# Altium PCB Jetson AGX Xavier Carrier Board.PcbDoc (part 3 of 4) (continued)
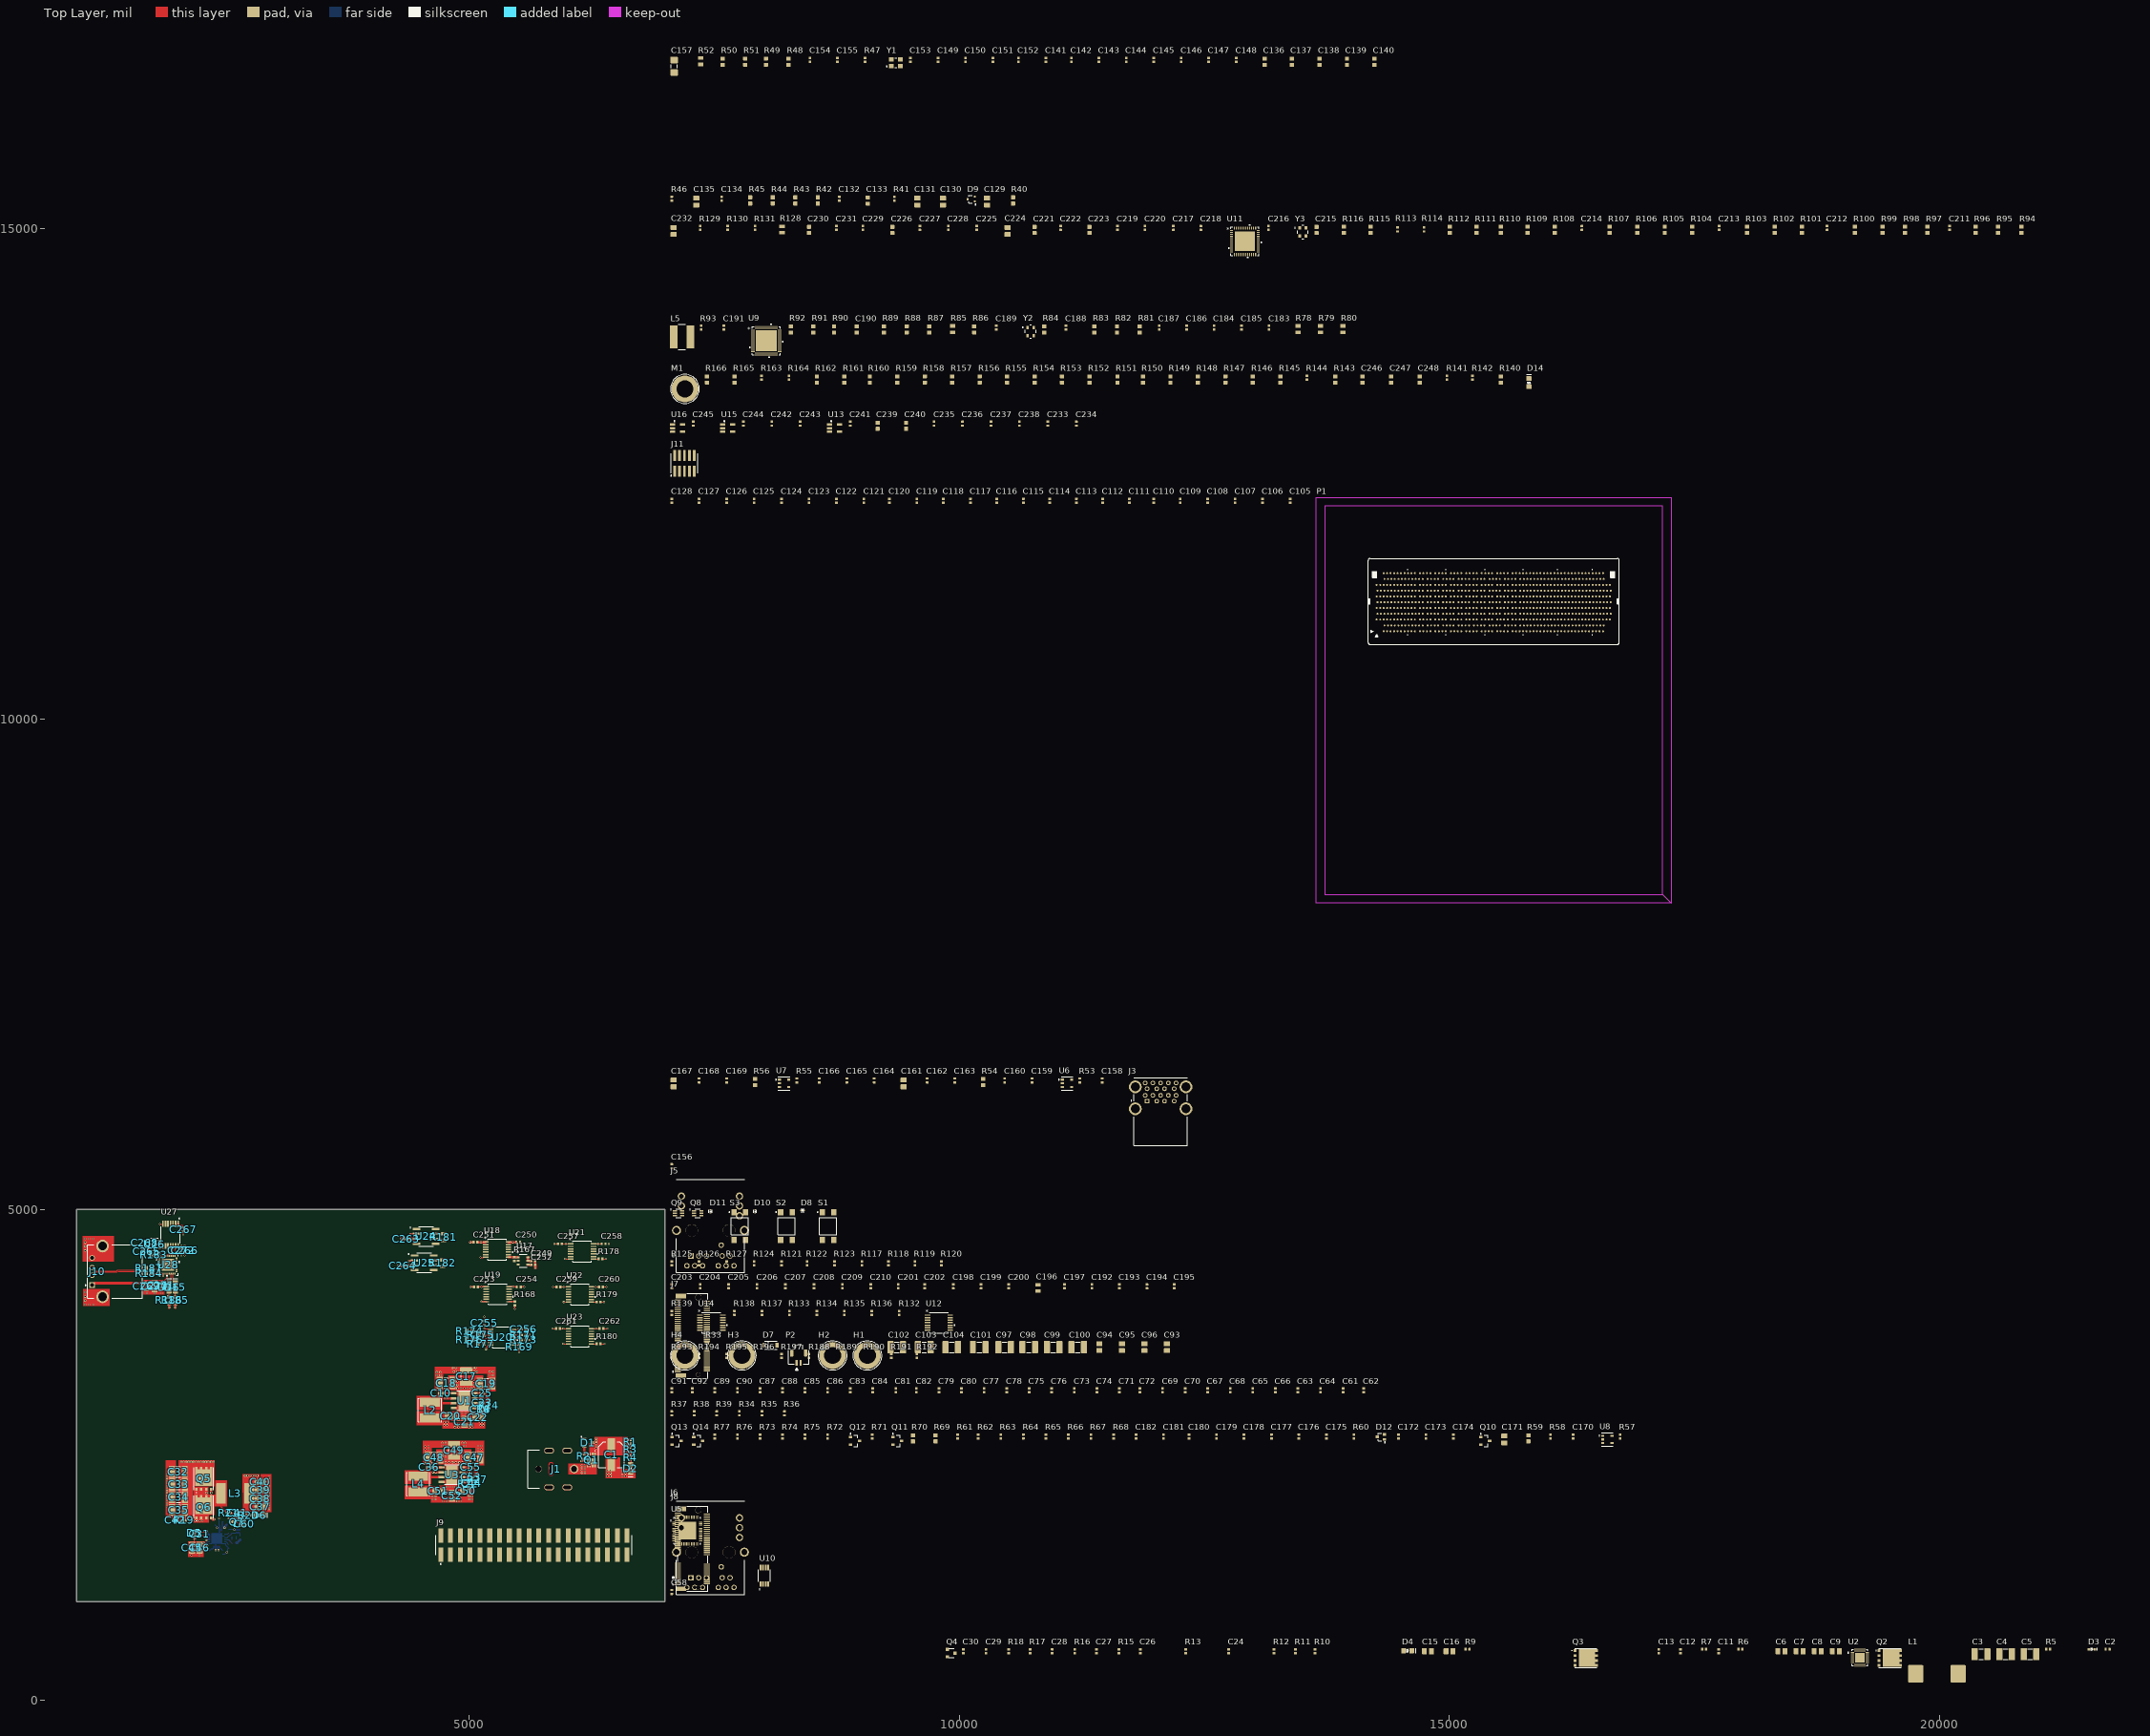
[diagram p0: Top Layer view]
## Part data (continued)
R181 R182: "RES 120 OHM 1% 1/8W 0805", LCSC Part #=C17437, Manufacturer 1=Vishay, Manufacturer Part Number 1=CRCW0805120RFKEA, Package/Footprint=0805, Supplier Part Number 1=541-120CCT-ND, Mounting Type=SMD, Supplier 1=Digi-Key
S1 S2 S3: "TL3305A Series SPST 12 V 4.5 x 4.5 mm 260 gf Top Actuated SMT Tactile Switch", Manufacturer Part Number=TL3305AF260QG
U1 U3: "IC REG BUCK ADJUSTABLE 3A 8SOPWR", Input Voltage (Max)=23V, Input Voltage (Min)=4.5V, Manufacturer 1="Texas Instruments", Manufacturer Part Number 1=TPS54339DDAR, Output Current=3A, Output Voltage (Max)=7V, Output Voltage (Min/Fixed)=0.76V, Package=8-PowerSOIC, Supplier Part Number 1=296-35686-1-ND, Switching Frequency=600kHz, Supplier 1=Digi-Key
U2 U4: "Buck Regulator Positive Output Step-Down - DC-DC Controller IC 24-WQFN (4x4)", Manufacturer 1="Texas Instruments", Package="24-WQFN Exposed Pad", Supplier Part Number 1=296-37066-1-ND, Supply Voltage="3V - 20V", Switching Frequency="200kHz - 1.2MHz", Manufacturer Part Number 1=LM27403SQE/NOPB, Max Duty Cycle=93%, Supplier 1=Digi-Key
U5: "USB Hub Controller USB 3.1 USB Interface 56-VQFN (7x7)", Manufacturer 1="Microchip Technology", Package="56-VQFN (7x7)", Supplier Part Number 1=USB5744/2G-ND, Supply Voltage="1.2V, 3.3V", Manufacturer Part Number 1=USB5744/2G, Standards="USB 3.1", Supplier 1=Digi-Key
U6 U7: "IC PWR SWITCH P-CHAN 1:1 SOT25", Current - Output (Max)=1A, Manufacturer 1="Diodes Incorporated", Package=SOT-25, Supplier Part Number 1=AP2171DWG-7DICT-ND, Voltage - Load="2.7V - 5.5V", Manufacturer Part Number 1=AP2171DWG-7, Rds On (Typ)=95mOhm, Supplier 1=Digi-Key
U8: "Power Switch/Driver 1:1 P-Channel 1A SOT-25", Current - Output (Max)=1A, Manufacturer 1="Diodes Incorporated", Package=SOT-25, Supplier Part Number 1=AP2171DWG-7DICT-ND, Voltage - Load="2.7V - 5.5V", Manufacturer Part Number 1=AP2171DWG-7, Rds On (Typ)=95mOhm, Supplier 1=Digi-Key
U9: "IC ETHERNET CNTRLR GPIO 48SQFN", Manufacturer 1="Microchip Technology", Supplier Part Number 1=LAN7430-I/Y9X-ND, Manufacturer Part Number 1=LAN7430-I/Y9X, Supplier 1=Digi-Key
U10: "IC EEPROM 4KBIT SPI 2MHZ 8MSOP", Manufacturer 1="Microchip Technology", Supplier Part Number 1=93AA66AT-I/MS-ND, Manufacturer Part Number 1=93AA66AT-I/MS, Supplier 1=Digi-Key
U11: "Ethernet Transceiver, PQCC48", Manufacturer="Microchip Technologies", Manufacturer 1="Microchip Technology", Supplier Part Number 1=150-KSZ9131RNXI-ND, Manufacturer Part Number 1=KSZ9131RNXI, Manufacturer Product Number=KSZ9131RNXI, Supplier 1=Digi-Key
U12 U14 U27: "4-BITS MULTI-VOLTAGE LEVEL TRANS", Manufacturer 1="Texas Instruments", Package=14-TSSOP, Supplier Part Number 1=296-51425-1-ND, Voltage - VCCA="0.8V - 4.5V", Voltage - VCCB="1.8V - 5.5V", Channel Type=Bidirectional, Channels per Circuit=4, Data Rate=100MBd, Manufacturer Part Number 1=LSF0204QPWRQ1, Output Type="Open Drain, Push Pull", Supplier 1=Digi-Key
U13 U15 U16: "IC BUFFER NON-INVERT 5.5V 5TSOP", Manufacturer 1=onsemi, Manufacturer Part Number 1=M74VHC1GT50DTT1G, Package/Footprint=TSOP-5, Supplier Part Number 1=M74VHC1GT50DTT1GOSCT-ND, Mounting Type=SMD, Supplier 1=Digi-Key
U17 U26: "IC SUPERVISOR 1 CHANNEL SOT23-6", Manufacturer 1="Texas Instruments", Supplier Part Number 1=296-23569-1-ND, Manufacturer Part Number 1=TPS3808G33MDBVREP, Supplier 1=Digi-Key
U18 U19 U20 U21 U22 U23: "Automotive 4-Bit Bidirectional Multi-Voltage Level Translator for Open-Drain or Push- Pull Interface 14-TSSOP -40 to 125", Manufacturer 1="Texas Instruments", Package=14-TSSOP, Supplier Part Number 1=296-51425-1-ND, Voltage - VCCA="0.8V - 4.5V", Voltage - VCCB="1.8V - 5.5V", Channel Type=Bidirectional, Channels per Circuit=4, Data Rate=100MBd, Manufacturer Part Number 1=LSF0204QPWRQ1, Output Type="Open Drain, Push Pull", Supplier 1=Digi-Key
U24 U25: "IC CAN TRANSCEIVER", Manufacturer 1="Texas Instruments", Supplier Part Number 1=296-43711-1-ND, Manufacturer Part Number 1=TCAN332DR, Supplier 1=Digi-Key
U28: "USB Bridge, USB to UART USB 2.0 UART Interface 32-QFN (5x5)", Manufacturer=FTDI, Max Frequency=48MHz, Max Operating Temperature=85°C, Max Supply Current=100uA, Max Supply Voltage=5.25V, Min Operating Temperature=-40°C, Min Supply Voltage=3.3V, Package Code=HVQCCN, Package Equivalence Code=LCC32,.2SQ,20, Package Shape=Square, Package Style="CHIP CARRIER, HEAT SINK/SLUG, VERY THIN PROFILEMeter", Supplier Part Number 1=768-1008-1-ND, Temperature Grade=INDUSTRIAL, Category="Interface ICs", ComponentLink1Description=https://datasheet.ciiva.com:443/pdfs/VipMasterIC/IC/FTDI/FTDI-S-A0007980421/FTDI-S-A0007980421-1.pdf?src-supplier=IHS+Markit, ComponentLink1URL=https://datasheet.ciiva.com:443/pdfs/VipMasterIC/IC/FTDI/FTDI-S-A0007980421/FTDI-S-A0007980421-1.pdf?src-supplier=IHS+Markit, ComponentLink2Description=https://datasheet.ciiva.com/1505/1647396-1505445.pdf?src-supplier=Digi-Key, ComponentLink2URL=https://datasheet.ciiva.com/1505/1647396-1505445.pdf?src-supplier=Digi-Key, ComponentLink3Description=https://datasheet.ciiva.com/26841/ft232rq-reel-26841082.pdf?src-supplier=IIIC, ComponentLink3URL=https://datasheet.ciiva.com/26841/ft232rq-reel-26841082.pdf?src-supplier=IIIC, ComponentLink4Description=https://datasheet.ciiva.com/16438/ds-ft232r-16438555.pdf?src-supplier=Future+Electronics, ComponentLink4URL=https://datasheet.ciiva.com/16438/ds-ft232r-16438555.pdf?src-supplier=Future+Electronics, ComponentLink5Description=https://datasheet.ciiva.com/15150/getdatasheetpartid-644721-15150509.pdf?src-supplier=Verical, ComponentLink5URL=https://datasheet.ciiva.com/15150/getdatasheetpartid-644721-15150509.pdf?src-supplier=Verical, ComponentLink6Description=https://datasheet.ciiva.com/4787/ds-ft232r-4787663.pdf?src-supplier=Mouser, ComponentLink6URL=https://datasheet.ciiva.com/4787/ds-ft232r-4787663.pdf?src-supplier=Mouser, ComponentLink7Description=https://datasheet.ciiva.com/1787/ds-ft232r-1787041.pdf?src-supplier=Digi-Key, ComponentLink7URL=https://datasheet.ciiva.com/1787/ds-ft232r-1787041.pdf?src-supplier=Digi-Key, ComponentLink8Description=https://datasheet.ciiva.com/1787/ds-ft232r-1787042.pdf?src-supplier=Digi-Key, ComponentLink8URL=https://datasheet.ciiva.com/1787/ds-ft232r-1787042.pdf?src-supplier=Digi-Key, Height - Seated (Max)=1mm, JESD-30 Code=S-XQCC-N32, Length=5mm, Manufacturer Part Number=FT232RQ-REEL, Moisture Sensitivity Level=3, Number of Pins=32, Pricing 1="1=4.70000, 10=4.25000, 50=4.05000, 100=3.85000, 250=3.45000, 500=3.05000, 1000=2.85002, 2500=2.55001 (USD)", Qualification Status="Not Qualified", REACH SVHC=Yes, RoHS=Yes, RoHS Compliant=Yes, Supplier 1=Digi-Key, Surface Mount=Yes, Technology=CMOS, Terminal Form="No Lead", Terminal Pitch=0.5mm, Terminal Position=QUAD, Width=5mm
Y1: "CRYSTAL 25.0000MHZ 20PF SMD", Frequency=25MHz, Load Capacitance=20pF, Manufacturer 1="ECS Inc.", Manufacturer Part Number 1=ECS-250-20-33-CKM-TR, Package/Footprint=SMD, Supplier Part Number 1=XC1817CT-ND, Mounting Type=SMD, Supplier 1=Digi-Key
Y2 Y3: "MEMS OSC XO 25.0000MHZ LVCMOS", Manufacturer 1=Abracon, Supplier Part Number 1=535-13096-1-ND, Manufacturer Part Number 1=ASTMLPD-18-25.000MHZ-LJ-E-T, Supplier 1=Digi-Key

## Via types
v1: diameter 22, hole 10, Top Layer to Bottom Layer, 297 vias

## Nets (pads, with @x,y where several pads share a name; then routed paths per layer and width w, separated by ;. In a path a pad name is that pad's centre, name@x,y a point inside that pad or via, vN(x,y) a via of type N, cw(c..) or ccw(c..) an arc to the next point about the centre after c; other vN are vias at no path point)
1.8V: R34.2 R35.2 R36.2
1V2: C44.2 C50.2 C51.2 C52.2 C136.2 C137.2 C138.2 C141.2 C142.2 C143.2 C144.2 C145.2 C146.2 C147.2 C148.2 C196.2 C197.2 C203.2 C204.2 C205.2 C206.2 C207.2 C208.2 C209.2 C210.2 L4.2 L5.2 R22.2 U5.5 U5.12 U5.15 U5.21 U5.28 U5.33 U5.43 U5.49 U9.4 U9.9 U9.13 U9.14 U9.20 U9.31 U9.34 U9.40 U9.45
  other v1: 4740,2025 4775,2025 4885,2025 4915,2025 4630,2045 4660,2045 5000,2045 5030,2045 4740,2055 4775,2055 4885,2055 4915,2055 4630,2075 4660,2075 5000,2075 5030,2075
1V8: C14.2 C20.2 C21.2 C22.2 C233.2 C241.2 C243.2 C244.2 C245.2 C249.2 C251.2 C253.2 C255.2 C257.2 C259.2 C261.2 C265.2 C267.2 J11.1 L2.2 Q14.1 R8.2 R41.2 R75.2 R132.2 R133.2 R134.2 R135.2 R138.2 R139.2 R141.2 R142.2 R167.2 R168.2 R169.2 R178.2 R179.2 R180.2 R183.2 R188.2 R189.2 R190.2 R191.2 R192.2 U12.1 U13.5 U14.1 U15.5 U16.5 U17.5 U17.6 U18.1 U19.1 U20.1 U21.1 U22.1 U23.1 U26.5 U26.6 U27.1 | length 996.2
  Top Layer w10: C255.2@5160,3820 v1(5160,3785) 5189.77,3785 5203,3771.77 U20.1@5223.75,3771.77 ; v1(5515,3545) R169.2@5515,3580 ; C261.2@5930,3785 v1(5965,3785) 5966.32,3783.68 6016.18,3783.68 U23.1@6017.5,3782.36 ; C259.2@5934.69,4210 v1(5970,4210) U22.1@6017.5,4210 ; C257.2@5949.69,4650 v1(5990,4650) 6013.2,4650 6013.25,4649.95 6038,4649.95 U21.1@6040,4647.95 ; R179.2@6344.37,4055 v1(6380,4055) ; R180.2@6345,3630 v1(6385,3630) ; R178.2@6364.69,4495 v1(6400,4495)
  Top Layer w15: C253.2@5094.69,4210 v1(5130,4210) 5130.89,4210.89 5177.86,4210.89 U19.1@5178.75,4211.77 ; v1(5470,3985) R168.2@5470,4020
  Top Layer w25: U26.5@1745.25,4645 U26.6@1745.25,4607.6 1745,4607.6 1735.69,4598.29 1735.69,4570.69 C265.2@1735,4570 R183.2@1770,4535 ; U27.1@2036.77,4852.99 2036.77,4839.02 2041.2,4834.59 2069.19,4834.59 2089.41,4814.37 C267.2@2090,4814.37 ; C251.2@5090,4665 v1(5125,4665) 5125.89,4665.89 5172.86,4665.89 U18.1@5173.75,4666.77 ; U17.6@5604.5,4512.4 U17.5@5604.5,4475 C249.2@5640,4475
  other v1: 4860,2780 4895,2780 5005,2780 5035,2780 4750,2800 4780,2800 5120,2800 5150,2800 4860,2810 4895,2810 5005,2810 5035,2810 4750,2830 4780,2830 5120,2830 5150,2830
2V5: C198.2 C199.2 C200.2 C201.2 C202.2 U9.1 U9.12 U9.23 U9.27
3V3: C37.2 C38.2 C39.2 C40.2 C41.2 C43.2 C139.2 C140.2 C149.2 C150.2 C151.2 C152.2 C153.2 C189.2 C191.2 C192.2 C193.2 C194.2 C195.2 C216.2 C221.2 C222.2 C226.2 C227.2 C228.2 C232.2 C234.2 C235.2 C236.2 C237.2 C238.2 C239.2 C240.2 C242.2 C246.2 C247.2 C248.2 C250.2 C254.2 C256.2 C258.2 C260.2 C262.2 C263.1 C264.1 D14.1 J7.2 J7.4 J7.72 J7.74 J8.2 J8.4 J8.12 J8.14 J8.16 J8.18 J8.70 J8.72 J8.74 J9.01 J9.17 L3.1 Q10.1 Q12.1 Q13.1 R20.2 R23.2 R28.2 R40.2 R47.2 R53.2 R55.2 R57.2 R58.2 R60.1 R69.2 R71.2 R73.2 R78.2 R79.2 R80.2 R85.2 R86.1 R89.1 R94.2 R110.1 R112.1 R117.2 R118.2 R119.2 R120.2 R125.2 R126.2 R127.2 R128.1 R136.2 R137.2 R144.2 R163.2 R164.2 R170.2 R171.2 R172.2 R173.2 R185.2 R186.2 U5.16 U5.31 U5.37 U5.44 U5.55 U9.28 U9.33 U9.39 U9.41 U10.8 U11.1 U11.12 U11.16 U11.34 U11.40 U12.14 U14.14 U18.14 U19.14 U20.14 U21.14 U22.14 U23.14 U24.3 U25.3 Y2.1 Y2.4 Y3.1 Y3.4 | length 1475.3
  Top Layer w10: U18.14@5406.25,4666.77 U18.14@5407.14,4665.89 ; v1@5449.11,4665.89 v1(5450,4665) ; U20.14@5456.25,3771.77 5493.6,3771.77 5501.83,3780 v1(5505,3780) C256.2@5540,3780 ; R171.2@5579.69,3720 v1(5620,3720) ; R173.2@5580,3670 v1(5620,3670) ; U23.14@6250,3782.36 6251.32,3783.68 6298.68,3783.68 v1(6300,3785) C262.2@6335,3785 ; U22.14@6250,4210 v1(6295,4210) C260.2@6330,4210 ; U21.14@6272.5,4647.95 6273.52,4648.98 6318.98,4648.98 v1(6320,4650) C258.2@6355.63,4650
  Top Layer w15: U19.14@5411.25,4211.77 5451.34,4211.77 5453.11,4210 C254.2@5490.31,4210
  Top Layer w25: v1(1945,4000) R186.2@1945,4042.01 R185.2@2010,4042.01 v1(2010,4000) ; C41.2@2660.32,1905 2660.32,1905.59 2725,1970.28 2725,2070 L3.1@2760,2105 2760,1956 2736.56,1932.56 2736.56,1883.13 R20.2@2735.87,1882.44 ; C264.1@4349.69,4425 v1(4385,4425) 4389.31,4429.31 4449.31,4429.31 U25.3@4450,4430 ; C263.1@4385,4700 v1(4415,4700) U24.3@4467.76,4700 ; U18.14@5407.14,4665.89 v1@5449.11,4665.89 ; v1(5450,4665) C250.2@5485,4665
  Bottom Layer w25: v1(2510,1755) 2510,1756.8 2518.63,1765.42 2518.63,1773.35 2529.68,1784.41 R28.2@2529.68,1785 ; C43.2@2630,1600.63 2630.69,1601.32 2640.41,1601.32 2669.41,1630.32 R23.2@2670,1630.32
  other v1: 2720,2285 2745,2285 2770,2285 2795,2285 2820,2285 2845,2285 5455,4210
3V3OUT: C266.2 C272.2 U27.14 U28.4 U28.17 | length 647.7
  Top Layer w10: v1(1855,4320) 1857.3,4322.3 1857.3,4333.77 1866.1,4342.57 U28.17@1866.1,4346.57 ; U28.4@1944.84,4523.43 1944.84,4527.43 1949.53,4532.11 1949.53,4537.15 1954.8,4542.43 1974.18,4542.43 1981.75,4550 v1(1985,4550) ; U27.14@2036.77,4627.01 2036.77,4604.47 2039.84,4601.4 2068.28,4601.4 C272.2@2070,4599.69 C266.2@2105,4599.69 v1(2105,4630)
  Int3 (Sign) w10: v1(1855,4320) 1855,4420 v1(1985,4550) 1987.45,4550 2067.37,4629.92 v1(2069.82,4629.92) 2069.86,4629.96 v1(2105,4630) v1(2105,4630)
5V: C6.2 C7.2 C8.2 C9.2 C11.2 C13.2 C93.2 C94.2 C95.2 C96.2 C132.2 C133.2 C158.2 C166.2 C170.2 J9.02 J9.04 L1.1 P1.L22 P1.L23 P1.L26 P1.L27 P1.L30 P1.L31 P1.L34 P1.L35 P1.L38 P1.L39 R6.2 R9.2 R13.2 R42.2 R44.2 U6.5 U7.5 U8.5
5V_HDMI: C171.2 C172.2 C173.2 R72.1 R74.2 U8.1
5V_USB1: C161.2 C162.2 C163.2 J3.1 U6.1
5V_USB2: C167.2 C168.2 C169.2 J3.10 U7.1
+RTC_AGX: D7.1 P1.L53 R33.1
CANA_N: R181.1 U24.6 | length 89
  Top Layer w15: U24.6@4662.24,4700 4720.16,4700 4735.16,4685 R181.1@4745,4685
CANA_P: R181.2 U24.7 | length 82.8
  Top Layer w15: U24.7@4662.26,4749.98 R181.2@4745,4749.96
CANB_N: R182.1 U25.6 | length 94.7
  Top Layer w15: U25.6@4644.49,4430 4648.8,4425.69 4729.31,4425.69 R182.1@4735,4420
CANB_P: R182.2 U25.7 | length 92.6
  Top Layer w15: U25.7@4644.49,4480 4646.97,4482.48 4732.52,4482.48 R182.2@4735,4484.96
CBOOT: C31.1 D5.1 U4.18 | length 179.9
  Top Layer w10: D5.1@2205,1729.92 2232.8,1729.92 2253.03,1709.68 C31.1@2255,1709.68 2311.44,1709.68 2321.75,1720 v1(2325,1720)
  Bottom Layer w10: v1(2325,1720) 2344.72,1700.28 2344.72,1693.54 2344.84,1693.43 U4.18@2357.24,1693.43
CHASSIS: J7.SH1 J7.SH2
FGND: C157.2 C190.1 C215.1 J3.S1 J3.S2 J3.S3 J3.S4 J5.SH1 J5.SH2 J6.SH1 J6.SH2 R52.2 R87.1 R115.1
GND: C1.2 C3.1 C4.1 C5.1 C6.1 C7.1 C8.1 C9.1 C12.1 C15.1 C16.1 C17.1 C18.1 C19.1 C20.1 C21.1 C22.1 C23.1 C25.1 C26.1 C28.1 C30.1 C32.1 C33.1 C34.1 C35.1 C37.1 C38.1 C39.1 C40.1 C42.1 C45.1 C46.1 C47.1 C48.1 C49.1 C50.1 C51.1 C52.1 C53.1 C54.2 C55.1 C56.1 C58.1 C60.1 C93.1 C94.1 C95.1 C96.1 C97.1 C98.1 C99.1 C100.1 C101.1 C102.1 C103.1 C104.1 C129.1 C130.1 C131.1 C132.1 C133.1 C134.1 C135.1 C136.1 C137.1 C138.1 C139.1 C140.1 C141.1 C142.1 C143.1 C144.1 C145.1 C146.1 C147.1 C148.1 C149.1 C150.1 C151.1 C152.1 C153.1 C154.1 C155.1 C156.1 C157.1 C158.1 C161.1 C162.1 C163.1 C166.1 C167.1 C168.1 C169.1 C170.1 C171.1 C172.1 C173.1 C174.1 C185.1 C186.1 C187.1 C188.1 C189.1 C190.2 C191.1 C192.1 C193.1 C194.1 C195.1 C196.1 C197.1 C198.1 C199.1 C200.1 C201.1 C202.1 C203.1 C204.1 C205.1 C206.1 C207.1 C208.1 C209.1 C210.1 C211.1 C212.1 C213.1 C214.1 C215.2 C216.1 C217.1 C218.1 C219.1 C220.1 C221.1 C222.1 C223.1 C224.1 C225.1 C226.1 C227.1 C228.1 C229.1 C230.1 C231.1 C232.1 C233.1 C234.1 C235.1 C236.1 C237.1 C238.1 C239.1 C240.1 C241.1 C242.1 C243.1 C244.1 C245.1 C246.1 C247.1 C248.1 C249.1 C250.1 C251.1 C252.1 C253.1 C254.1 C255.1 C256.1 C257.1 C258.1 C259.1 C260.1 C261.1 C262.1 C263.2 C264.2 C265.1 C266.1 C267.1 C268.1 C269.1 C270.1 C271.1 C272.1 D2.2 D4.2 D6.2 D8.1 D10.1 D11.1 J1.2@5819.96,2360.87 J3.4 J3.7 J3.13 J3.16 J7.1 J7.7 J7.18 J7.33 J7.39 J7.45 J7.51 J7.57 J7.63 J7.69 J7.75 J8.1 J8.3 J8.9 J8.15 J8.21 J8.33 J8.39 J8.45 J8.51 J8.57 J8.71 J8.73 J8.75 J9.06 J9.09 J9.14 J9.20 J9.25 J9.30 J9.34 J9.39 J10.4 J10.S1 J10.S2 J11.3 J11.5 J11.7 P1.A3 P1.A9 P1.A12 P1.A13 P1.A16 P1.A17 P1.A20 P1.A21 P1.A24 P1.A25 P1.A28 P1.A29 P1.A32 P1.A33 P1.A36 P1.A37 P1.A40 P1.A43 P1.A46 P1.A49 P1.A52 P1.A63 P1.B4 P1.B7 P1.B11 P1.B14 P1.B15 P1.B18 P1.B19 P1.B22 P1.B23 P1.B26 P1.B27 P1.B30 P1.B31 P1.B34 P1.B35 P1.B38 P1.B39 P1.B41 P1.B44 P1.B47 P1.B50 P1.B53 P1.B57 P1.C3 P1.C9 P1.C12 P1.C13 P1.C16 P1.C17 P1.C20 P1.C21 P1.C24 P1.C25 P1.C28 P1.C29 P1.C32 P1.C33 P1.C36 P1.C37 P1.C40 P1.C43 P1.C46 P1.C49 P1.C52 P1.C62 P1.D4 P1.D7 P1.D11 P1.D14 P1.D15 P1.D18 P1.D19 P1.D22 P1.D23 P1.D26 P1.D27 P1.D30 P1.D31 P1.D34 P1.D35 P1.D38 P1.D39 P1.D41 P1.D44 P1.D47 P1.D50 P1.D53 P1.D57 P1.D63 P1.E3 P1.E9 P1.E12 P1.E13 P1.E16 P1.E17 P1.E20 P1.E21 P1.E24 P1.E25 P1.E28 P1.E29 P1.E32 P1.E33 P1.E36 P1.E37 P1.E40 P1.E43 P1.E46 P1.E49 P1.E52 P1.E57 P1.E62 P1.F4 P1.F7 P1.F11 P1.F14 P1.F15 P1.F18 P1.F19 P1.F22 P1.F23 P1.F26 P1.F27 P1.F30 P1.F31 P1.F34 P1.F35 P1.F38 P1.F39 P1.F41 P1.F44 P1.F47 P1.F50 P1.F57 P1.F62 P1.G3 P1.G9 P1.G12 P1.G13 P1.G16 P1.G17 P1.G20 P1.G21 P1.G24 P1.G25 P1.G28 P1.G29 P1.G32 P1.G33 P1.G36 P1.G37 P1.G40 P1.G43 P1.G46 P1.G49 P1.G52 P1.G57 P1.G62 P1.H4 P1.H7 P1.H11 P1.H14 P1.H15 P1.H18 P1.H19 P1.H22 P1.H23 P1.H26 P1.H27 P1.H30 P1.H31 P1.H34 P1.H35 P1.H38 P1.H39 P1.H41 P1.H44 P1.H47 P1.H50 P1.H56 P1.H63 P1.J3 P1.J8 P1.J12 P1.J13 P1.J16 P1.J17 P1.J20 P1.J21 P1.J24 P1.J25 P1.J28 P1.J29 P1.J32 P1.J33 P1.J36 P1.J37 P1.J40 P1.J43 P1.J46 P1.J49 P1.J56 P1.J62 P1.K4 P1.K8 P1.K11 P1.K14 P1.K15 P1.K18 P1.K19 P1.K22 P1.K23 P1.K26 P1.K27 P1.K30 P1.K31 P1.K34 P1.K35 P1.K38 P1.K39 P1.K41 P1.K42 P1.K45 P1.K48 P1.K55 P1.K63 P1.L3 P1.L7 P1.L12 P1.L13 P1.L16 P1.L17 P1.L20 P1.L21 P1.L24 P1.L25 P1.L28 P1.L29 P1.L32 P1.L33 P1.L36 P1.L37 P1.L40 P1.L43 P1.L46 P2.1 Q3.1 Q4.2 Q6.1 Q7.2 Q8.2 Q9.2 Q11.2 R2.1 R14.1 R15.1 R17.1 R18.1 R25.1 R27.1 R29.1 R31.1 R32.1 R37.1 R38.1 R39.1 R46.1 R49.1 R50.1 R51.1 R52.1 R77.1 R87.2 R90.1 R92.2 R113.1 R114.1 R115.2 R116.2 R121.1 R122.1 R123.1 R124.1 R129.1 R130.1 R131.1 R193.1 R194.1 R195.1 R196.1 R197.1 S2.3 S2.4 S3.3 S3.4 U1.4 U1.9 U2.2 U2.6 U2.10 U2.13 U2.25 U3.4 U3.9 U4.2 U4.6 U4.10 U4.13 U4.23 U4.25 U5.52 U5.57 U6.2 U7.2 U8.2 U9.15 U9.18 U9.22 U9.30 U9.49 U10.5 U11.29 U11.41 U12.7 U13.3 U14.7 U15.3 U16.3 U17.2 U18.7 U19.7 U20.7 U21.7 U22.7 U23.7 U24.2 U25.2 U26.2 U27.7 U28.7 U28.18 U28.21 U28.25 U28.26 Y1.2 Y1.4 Y2.2 Y3.2 | length 3840.1
  Top Layer w6: v1(5175,3575) 5175,3578.25 5191.44,3594.69 5191.44,3606.67 5203,3618.23 U20.7@5223.75,3618.23
  Top Layer w10: C265.1@1695.63,4570 1695.47,4570.16 1695.47,4604.84 v1(1695.32,4605) 1695.32,4608.25 1700,4612.93 C268.1@1700,4640.31 ; v1(1800,4645) U26.2@1844.75,4645 ; v1(1850,4850) 1880.24,4850 U27.7@1883.23,4852.99 ; v1(1885,4320) 1885.39,4320.39 1885.39,4346.18 U28.18@1885.79,4346.57 ; C35.1@1977.05,1935 C35.1@1990.32,1921.73 ; v1(2070,4530) C272.1@2070,4560.31 C266.1@2105,4560.31 v1(2105,4530) ; v1(2090,4745) C267.1@2090,4775 ; v1(2555,1850) 2671.97,1850 Q7.2@2674.37,1852.4 ; C60.1@2715,1814.68 v1(2715,1845) ; D6.2@2907.91,1882.44 2909.47,1884 2909.47,2136.67 C39.1@2910.24,2137.44 ; U3.9@4776.93,2220 4830,2273.07 U3.9@4830,2295 ; 4896.93,2975 4950,3028.07 U1.9@4950,3050 ; v1(5120,4510) 5145.77,4510 5147,4511.23 5171.75,4511.23 U18.7@5173.75,4513.23 ; C255.1@5160,3859.37 v1(5160,3905) ; C256.1@5579.37,3780 v1(5620,3780) ; C252.1@5679.37,4435 C252.1@5679.69,4434.69 ; v1@5679.69,4400.31 v1(5680,4400) ; v1(5855,3785) C261.1@5890.63,3785 ; v1(5860,4210) C259.1@5895.31,4210 ; v1(5875,4650) C257.1@5910.31,4650 ; v1(5965,3630) 5965.59,3629.41 6016.91,3629.41 U23.7@6017.5,3628.82 ; v1(5970,4055) 5970.73,4055.73 6016.77,4055.73 U22.7@6017.5,4056.46 ; v1(5985,4495) 5985.3,4494.7 6039.7,4494.7 U21.7@6040,4494.41 ; C260.1@6369.37,4210 v1(6405,4210) ; C262.1@6374.37,3785 v1(6415,3785)
  Top Layer w15: v1(4390,4475) 4391.34,4476.34 4446.34,4476.34 U25.2@4450,4480 ; v1(4405,4750) U24.2@4467.76,4750 ; v1(5020,4210) C253.1@5055.31,4210 ; v1(5130,4060) 5131.27,4058.73 5178.25,4058.73 U19.7@5178.75,4058.23 ; C254.1@5529.69,4210 v1(5565,4210)
  Top Layer w25: C42.1@1990.32,1830 C35.1@1990.32,1921.73 ; v1(4280,4425) C264.2@4310.31,4425 ; v1(4310,4700) C263.2@4345.63,4700 ; U3.4@4723.7,2220 U3.9@4776.93,2220 ; U1.4@4843.7,2975 4896.93,2975 ; v1(5015,4665) C251.1@5050.63,4665 ; C55.1@5039.69,2370 5039.69,2368.03 5062.5,2345.22 5062.5,2317.66 ; C53.1@5044.37,2270 5044.37,2271.97 5062.5,2290.1 5062.5,2317.66 ; R27.1@5090,2264.68 v1(5090,2310) 5087.7,2312.3 5067.86,2312.3 5062.5,2317.66 ; C25.1@5159.69,3125 5159.69,3123.03 5182.5,3100.22 5182.5,3072.66 ; C23.1@5164.37,3025 5164.37,3026.97 5182.5,3045.1 5182.5,3072.66 ; R14.1@5210,3019.68 v1(5210,3065) 5207.7,3067.3 5187.86,3067.3 5182.5,3072.66 ; C252.1@5679.37,4435 C249.1@5679.37,4475 ; v1@5679.69,4400.31 C252.1@5679.69,4434.69 ; v1(6150,2435) v1(6180,2435) 6177.7,2437.3 6177.7,2462.3 R2.1@6175,2465
  Int6 (Sign) w10: v1(2420,1525) 2535,1640 2535,1830 v1(2555,1850)
  Bottom Layer w10: v1(2335,1570) 2335,1573.25 2344.72,1582.97 2344.72,1594.88 2344.84,1595 U4.13@2357.24,1595 2384.41,1595 U4.25@2423.78,1634.37 ; v1(2420,1525) 2420,1528.25 2423.78,1532.03 U4.10@2423.78,1567.83 U4.25@2423.78,1634.37 ; v1(2455,1850) 2455.16,1849.84 2455.16,1820.16 C54.2@2455.32,1820 2455,1819.68 2455,1785.32 R25.1@2454.68,1785 2461.5,1778.19 2461.5,1761.75 2465,1758.25 2465,1755 2463.27,1753.27 2463.27,1720.71 U4.23@2463.15,1720.59 U4.25@2463.15,1673.74 ; R31.1@2490,1485.32 2515.32,1485.32 v1(2535,1505) 2535,1508.25 2546.22,1519.47 2546.22,1538.5 R29.1@2553.03,1545.32 ; U4.2@2510,1673.74 U4.25@2463.15,1673.74 ; R29.1@2555,1545.32 R29.1@2553.03,1545.32 ; C56.1@2555,1741.68 2600.07,1741.68 2606.75,1735 v1(2610,1735) 2610.32,1734.68 2669.68,1734.68 R32.1@2670,1734.37 ; U4.25@2423.78,1634.37 U4.25@2433.62,1644.21 ; U4.25@2433.62,1644.21 2482.83,1595 U4.6@2510,1595 2522.4,1595 2522.52,1594.88 2522.52,1575.83 R29.1@2553.03,1545.32 ; U4.25@2433.62,1644.21 U4.25@2463.15,1673.74
  other v1: 2175,1475 2255,1475 2210,1825 2235,1825 2260,1825 2285,1825 2965,1945 1925,1970 2965,1970 1925,1995 2965,1995 1925,2020 2965,2020 1925,2045 2965,2045 1925,2070 2965,2070 1925,2095 2965,2095 4775,2100 4885,2100 1925,2120 2965,2120 4775,2135 4885,2135 1925,2145 2965,2145 1925,2170 2965,2170 4775,2170 4810,2170 4850,2170 4885,2170 1925,2195 2965,2195 1925,2220 2965,2220 1925,2245 2965,2245 1925,2270 2965,2270 6415,2280 6445,2280 6565,2280 6600,2280 1925,2295 6415,2310 6445,2310 6565,2310 6600,2310 6415,2335 6445,2335 6565,2335 6600,2335 4765,2420 4800,2420 4835,2420 4870,2420 4905,2420 4935,2420 4765,2455 4935,2455 4765,2490 4935,2490 4895,2855 5005,2855 4895,2890 5005,2890 4895,2925 4930,2925 4970,2925 5005,2925 4885,3175 4920,3175 4955,3175 4990,3175 5025,3175 5055,3175 4885,3210 5055,3210 4885,3245 5055,3245 1090,4030 1130,4030 1175,4030 1090,4070 1090,4110 1720,4145 1800,4145 1870,4145 1090,4155 1090,4580 1090,4625 6430,4650 1090,4665 1090,4700 1130,4700 1170,4700
GPIO20_5V0_HDMI_EN: R58.1 R70.1 U8.4
I2C_GP2_CLK_3V3: R170.1 U20.13 | length 84.6
  Top Layer w10: U20.13@5456.25,3746.18 5456.45,3746.39 5504.8,3746.39 v1(5505,3746.59)
  Bottom Layer w10: v1(5505,3746.59) 5505.8,3745.8 5539.2,3745.8 R170.1@5540,3745
I2C_GP2_DAT_3V3: R171.1 U20.12 | length 84.3
  Top Layer w10: U20.12@5456.25,3720.59 5539.73,3720.59 R171.1@5540.31,3720
I2C_GP5_CLK_3V3: R172.1 U20.11 | length 84.4
  Top Layer w10: U20.11@5456.25,3695 5456.45,3694.8 5504.8,3694.8 v1(5505,3694.59)
  Bottom Layer w10: v1(5505,3694.59) 5505.2,3694.8 5540.11,3694.8 R172.1@5540.31,3695
I2C_GPS_DAT_3V3: R173.1 U20.10 | length 84.6
  Top Layer w6: U20.10@5456.25,3669.41 5540.04,3669.41 R173.1@5540.63,3670
MODE0: R102.2 R117.1 R124.2 U11.32
MODE1: R103.2 R118.1 R121.2 U11.31
MODE2: R104.2 R119.1 R122.2 U11.28
MODE3: R105.2 R120.1 R123.2 U11.27
NetC2_1: C2.1 D3.1 U2.18
NetC2_2: C2.2 L1.2 Q2.1 Q3.3 R7.1 U2.16
NetC10_1: C10.1 U1.1 | length 108.7
  Top Layer w25: C10.1@4735,3125 U1.1@4843.7,3125
NetC10_2: C10.2 L2.1 U1.3 | length 169
  Top Layer w10: C10.2@4695,3124.37 C10.2@4695.63,3125
  Top Layer w25: 4695,3085 C10.2@4695,3124.37 ; 4715,3025 U1.3@4843.7,3025
NetC11_1: C11.1 R7.2 R11.2
NetC12_2: C12.2 R5.1 U2.12
NetC13_1: C13.1 R12.2
NetC14_1: C14.1 R8.1 R14.2 U1.5 | length 50.4
  Top Layer w25: R8.1@5150,2979.37 5150.47,2979.84 5199.53,2979.84 R14.2@5200,2980.32
NetC15_2: C15.2 C16.2 D3.2 R10.1 U2.14
NetC23_2: C23.2 U1.6 | length 58.7
  Top Layer w25: U1.6@5056.3,3025 C23.2@5115,3025
NetC24_1: C24.1 R13.1 U2.24
NetC24_2: C24.2 R11.1 U2.23
NetC25_2: C25.2 U1.8 | length 54
  Top Layer w25: U1.8@5056.3,3125 C25.2@5110.31,3125
NetC26_2: C26.2 U2.1
NetC27_1: C27.1 C29.1 U2.4
NetC27_2: C27.2 R16.1
NetC28_2: C28.2 R17.2 U2.8
NetC29_2: C29.2 R9.1 R12.1 R16.2 R18.2 U2.3
NetC30_2: C30.2 Q4.1 Q4.3 U2.9
NetC36_1: C36.1 U3.1 | length 108.7
  Top Layer w25: C36.1@4615,2370 U3.1@4723.7,2370
NetC36_2: C36.2 L4.1 U3.3 | length 169
  Top Layer w10: C36.2@4575,2369.37 C36.2@4575.63,2370
  Top Layer w25: 4575,2330 C36.2@4575,2369.37 ; 4595,2270 U3.3@4723.7,2270
NetC41_1: C41.1 R21.2 R25.2 | length 364.2
  Top Layer w10: R21.2@2575,1905 C41.1@2620.95,1905 2620.47,1904.53 2620.47,1875.47 v1(2620,1875)
  Int3 (Sign) w10: v1(2435,1755) 2462.54,1782.54 2553.23,1782.54 2619.7,1849 2619.7,1874.7 v1(2620,1875)
  Bottom Layer w10: R25.2@2415.32,1785 2415.32,1783.03 2432.7,1765.64 2432.7,1757.3 v1(2435,1755)
NetC42_2: C42.2 R19.1 U4.12 | length 45.3
  Top Layer w25: C42.2@2029.68,1830 R19.1@2075,1830
NetC43_1: C43.1 R26.2 | length 25
  Bottom Layer w10: C43.1@2630,1640 R26.2@2630,1665
NetC44_1: C44.1 R22.1 R27.2 U3.5 | length 50.4
  Top Layer w25: C44.1@5030,2224.37 5030.47,2224.84 5079.53,2224.84 R27.2@5080,2225.32
NetC53_2: C53.2 U3.6 | length 58.7
  Top Layer w25: U3.6@4936.3,2270 C53.2@4995,2270
NetC54_1: C54.1 R28.1 U4.24 | length 104.3
  Bottom Layer w10: U4.24@2482.83,1720.59 2482.95,1720.71 2482.95,1743.25 2488.5,1748.8 2488.5,1783.18 2492.5,1787.18 2492.5,1817.82 C54.1@2494.68,1820
NetC55_2: C55.2 U3.8 | length 54
  Top Layer w25: U3.8@4936.3,2370 C55.2@4990.31,2370
NetC56_2: C56.2 U4.1 | length 48.7
  Bottom Layer w10: U4.1@2510,1693.43 2544.14,1693.43 2553.03,1702.32 C56.2@2555,1702.32
NetC57_1: C57.1 C59.1 U4.4 | length 98.5
  Bottom Layer w10: U4.4@2510,1634.37 2510.12,1634.25 2551.06,1634.25 C59.1@2555,1630.32 2556.97,1630.32 2563.78,1623.5 2563.78,1619.57 2588.03,1595.32 C57.1@2590,1595.32
NetC57_2: C57.2 R30.1 | length 25.3
  Bottom Layer w10: C57.2@2590,1634.68 R30.1@2590,1660
NetC58_2: C58.2 R31.2 U4.8 | length 55.4
  Bottom Layer w10: U4.8@2463.15,1567.83 2463.27,1567.72 2463.27,1551.42 2481.22,1533.46 2481.22,1531.5 2488.03,1524.68 R31.2@2490,1524.68
NetC59_2: C59.2 R23.1 R26.1 R30.2 R32.2 U4.3 | length 212
  Bottom Layer w10: U4.3@2510,1654.06 2539.37,1654.06 2546.22,1660.91 2546.22,1662.87 2553.03,1669.68 C59.2@2555,1669.68 2556.97,1669.68 2568.79,1681.5 2571.47,1681.5 2581.22,1691.25 2581.22,1692.56 2588.03,1699.37 R30.2@2590,1699.37 2592.5,1701.87 2627.5,1701.87 R26.1@2630,1704.37 2658.66,1704.37 2668.03,1695 R32.2@2670,1695 R23.1@2670,1669.68
NetC60_2: C60.2 Q7.1 Q7.3 U4.9 | length 554.9
  Top Layer w10: v1(2556,1815) Q7.3@2595.63,1815 2635,1815 2672.4,1777.6 Q7.1@2674.37,1777.6 2676.65,1775.32 C60.2@2715,1775.32
  Int6 (Sign) w10: v1(2449.99,1524.99) 2555,1630 2555,1814 v1(2556,1815)
  Bottom Layer w10: U4.9@2443.46,1567.83 2443.46,1533.43 2449.99,1526.9 v1(2449.99,1524.99)
NetC129_2: C129.2 D8.2 S1.1 S1.2
NetC134_2: C134.2 R42.1 R43.2
NetC154_2: C154.2 U5.54 Y1.1
NetC155_2: C155.2 U5.53 Y1.3
NetC156_2: C156.2 R47.1 R48.2 U5.42
NetC159_1: C159.1
NetC160_1: C160.1
NetC164_1: C164.1
NetC165_1: C165.1
NetC183_2: C183.2 U9.19
NetC184_2: C184.2 U9.21
NetC185_2: C185.2 J5.7
NetC186_2: C186.2 J5.1
NetC187_2: C187.2 J5.6
NetC188_2: C188.2 J5.12
NetC211_2: C211.2 J6.7
NetC212_2: C212.2 J6.1
NetC213_2: C213.2 J6.6
NetC214_2: C214.2 J6.12
NetC217_2: C217.2 C218.2 C219.2 C220.2 C223.2 C224.2 C225.2 C229.2 C230.2 C231.2 U11.4 U11.9 U11.18 U11.23 U11.26 U11.30 U11.39 U11.44
NetC252_2: C252.2 U17.4 | length 36.6
  Top Layer w10: U17.4@5604.5,4437.6 U17.4@5605.8,4436.3 ; C252.2@5638.7,4436.3 C252.2@5640,4435
  Top Layer w25: U17.4@5605.8,4436.3 C252.2@5638.7,4436.3
NetC268_2: C268.2 U26.4 | length 51.5
  Top Layer w10: C268.2@1695,4679.37 1696.52,4680.89 1743.73,4680.89 U26.4@1745.25,4682.4
NetD1_1: D1.1 Q1.2 R2.2 | length 110.9
  Top Layer w25: 6180.39,2576.42 6177.7,2573.72 6177.7,2507.38 6175,2504.68 6175.43,2504.25 6211.18,2504.25 Q1.2@6211.61,2503.82
NetD2_1: D2.1 R4.1 | length 50
  Top Layer w25: D2.1@6650,2400 R4.1@6650,2450
NetD4_1: D4.1 R6.1
NetD6_1: D6.1 R20.1 | length 50
  Top Layer w10: R20.1@2775.24,1882.44 D6.1@2825.24,1882.44
NetD7_2: D7.2 P2.2 R33.2
NetD9_3: D9.3
NetD12_1: D12.1 R60.2
NetD12_3: D12.3 Q10.3 R59.1
NetD13_1: 
NetD13_2: 
NetD13_4: 
NetD13_5: 
NetD13_7: 
NetD13_8: 
NetD13_10: 
NetD13_11: 
NetD13_15: 
NetD13_17: 